# Altium PCB LimePSB-RPCM_1v4.PcbDoc (part 1 of 12) (continued)
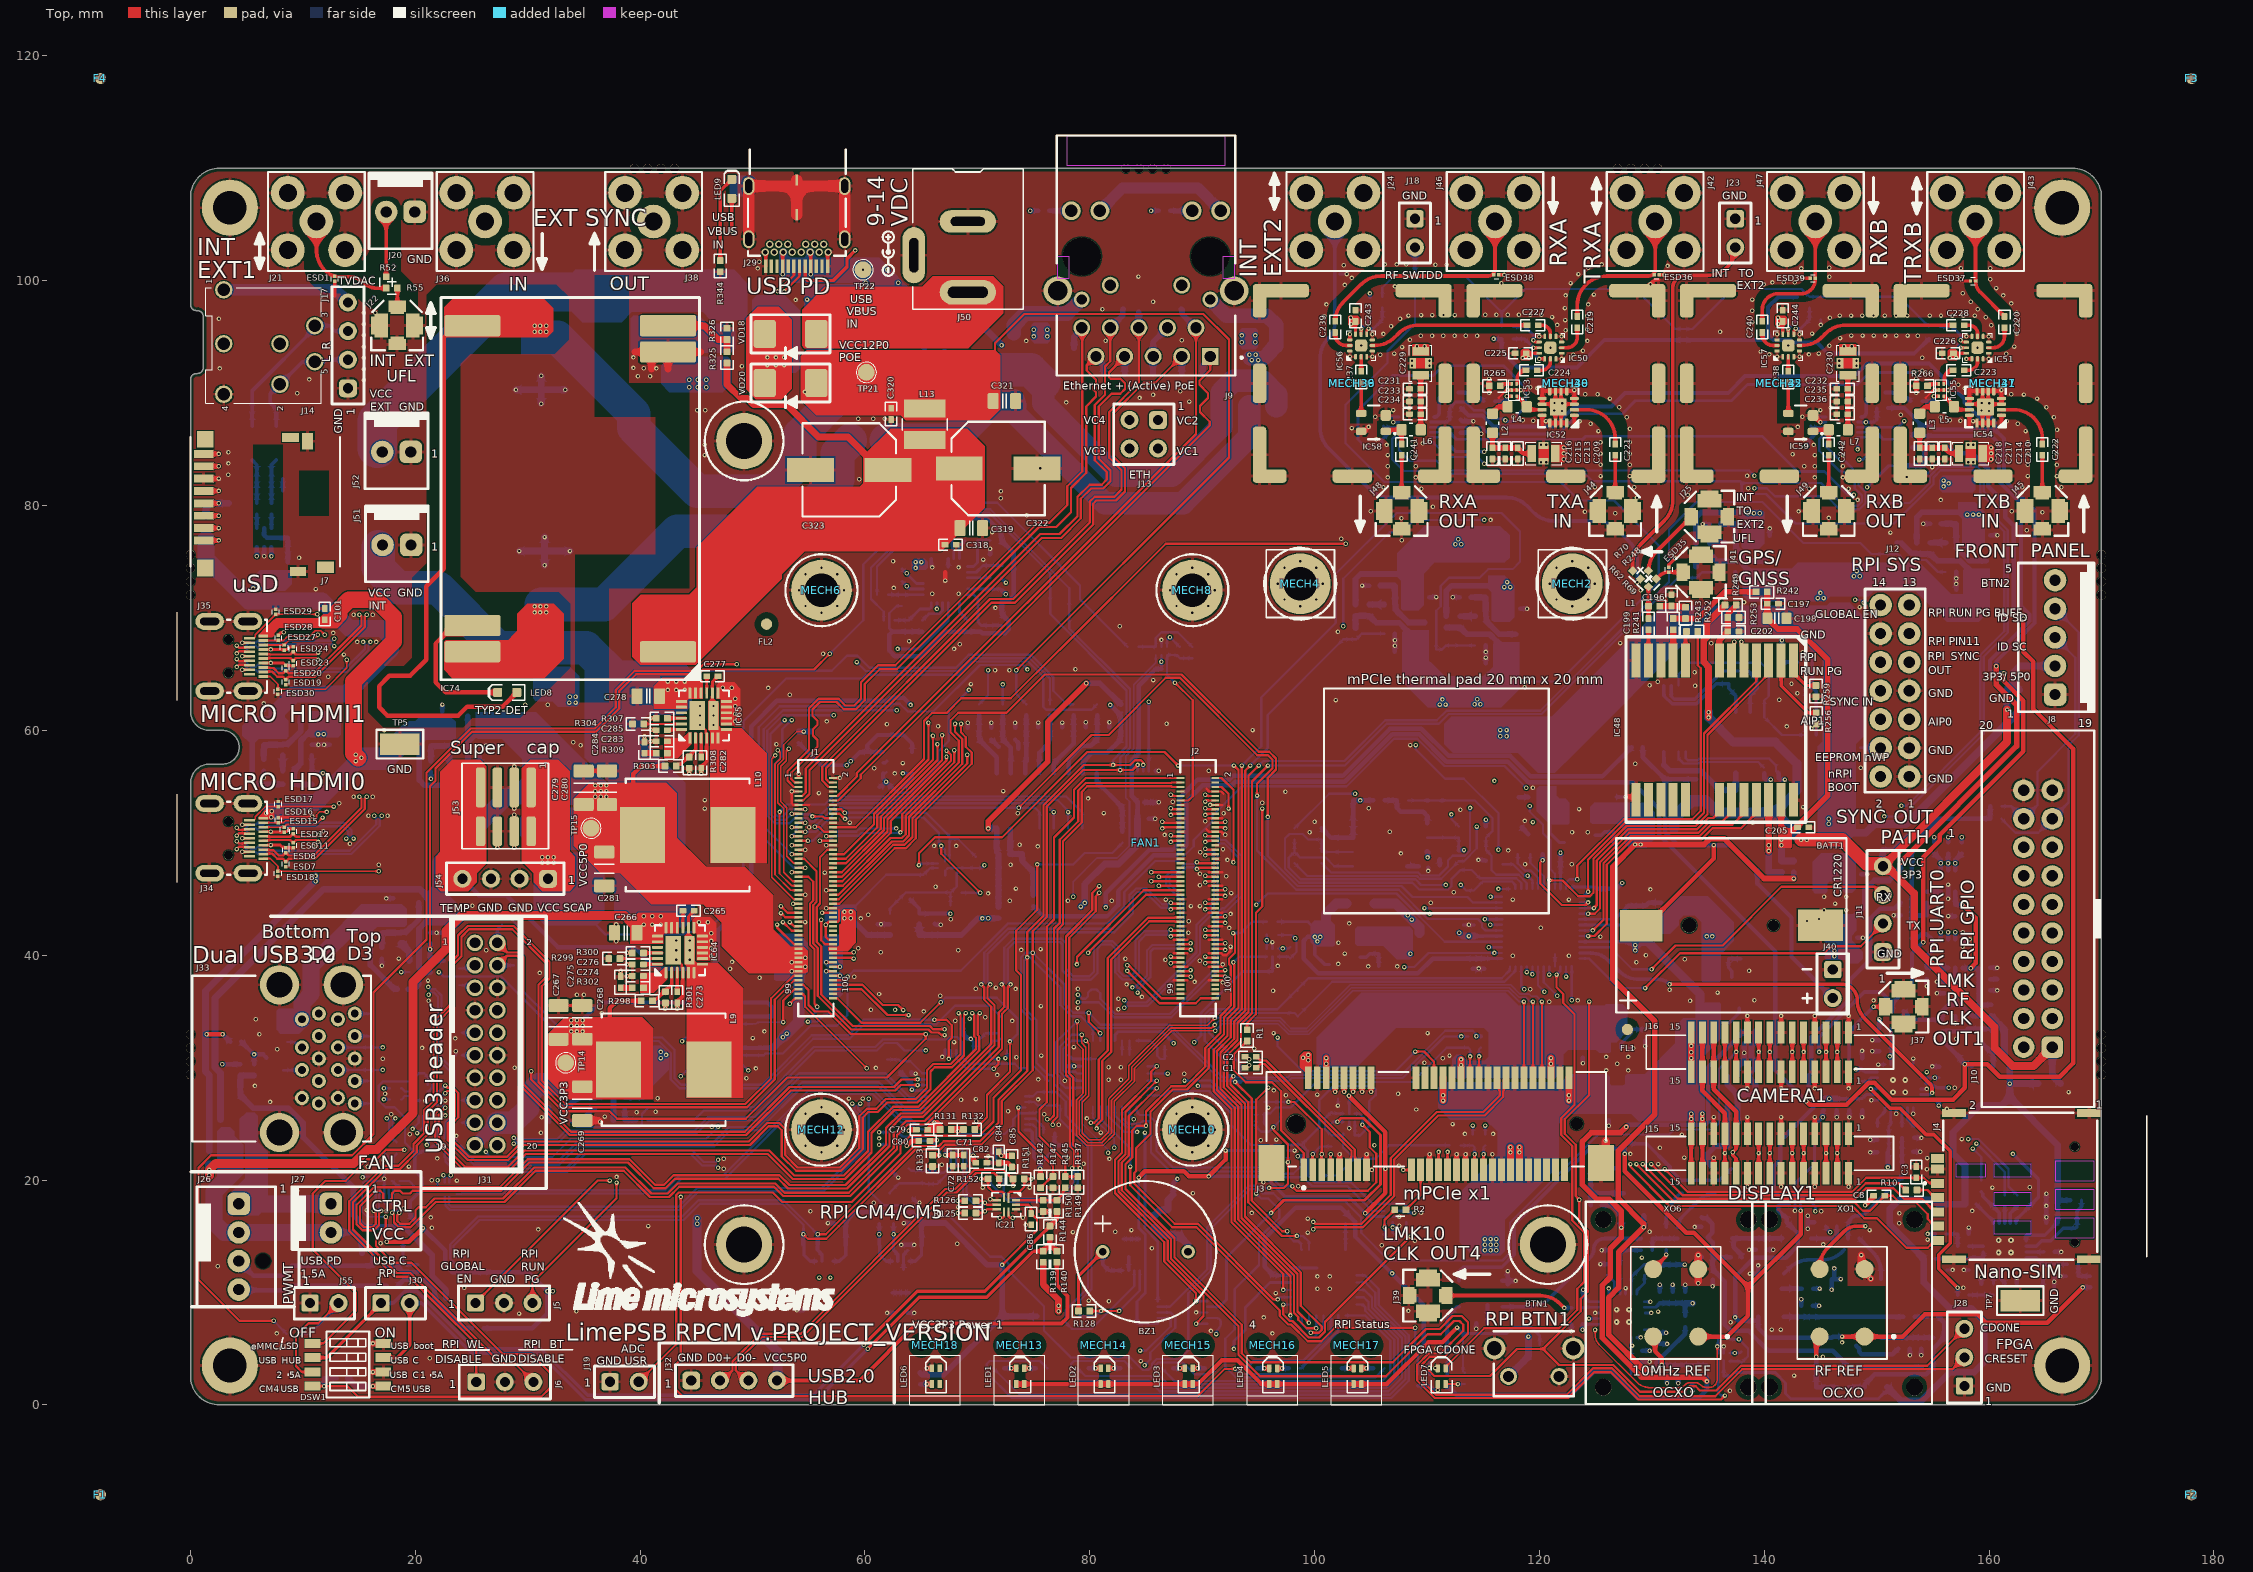
[diagram p0: Top view]
## Classes and differential pairs (continued)
net class CLK_PATH: ADF_REFIN NetC114_1 NetC114_2 NetC115_2 NetC167_1 NetC167_2 NetC168_2 NetR181_2 NetR184_1 NetR226_2 NetR234_1
net class uSD_CARD: RPI_SD_CLK RPI_SD_CMD RPI_SD_D0 RPI_SD_D1 RPI_SD_D2 RPI_SD_D3
net class VCC1P5: VCC1P5
net class VCC3P3_CLK: VCC3P3_CLK
net class VCC3P3: VCC3P3
net class VCC5P0: VCC5P0
differential pair USB3S_T_TX: +USB3S_T_TX_P -USB3S_T_TX_N
differential pair USB3S_T_RX: +USB3S_T_RX_P -USB3S_T_RX_N
differential pair USB3S_T_D: +USB3S_T_D_P -USB3S_T_D_N
differential pair USB3H_1_TX: +USB3H_1_TX_P -USB3H_1_TX_N
differential pair USB3H_1_RX: +USB3H_1_RX_P -USB3H_1_RX_N
differential pair USB3H_1_D: +USB3H_1_D_P -USB3H_1_D_N
differential pair USB_HUB_D6: +USB_HUB_D6_P -USB_HUB_D6_N
differential pair GNSS_USB_D: +GNSS_USB_D_P -GNSS_USB_D_N
differential pair RPI_USB3_TX1: +RPI_USB3_TX1_P -RPI_USB3_TX1_N
differential pair RPI_USB3_TX0: +RPI_USB3_TX0_P -RPI_USB3_TX0_N
differential pair RPI_USB3_RX1: +RPI_USB3_RX1_P -RPI_USB3_RX1_N
differential pair RPI_USB3_RX0: +RPI_USB3_RX0_P -RPI_USB3_RX0_N
differential pair RPI_USB3_D1: +RPI_USB3_D1_P -RPI_USB3_D1_N
differential pair RPI_USB3_D0: +RPI_USB3_D0_P -RPI_USB3_D0_N
differential pair PCIE_CLK: +PCIE_CLK_P -PCIE_CLK_N
differential pair USB_HUB_D5: +USB_HUB_D5_P -USB_HUB_D5_N
differential pair USB_HUB_D4: +USB_HUB_D4_P -USB_HUB_D4_N
differential pair USB_HUB_D3: +USB_HUB_D3_P -USB_HUB_D3_N
differential pair USB_HUB_D2: +USB_HUB_D2_P -USB_HUB_D2_N
differential pair USB_HUB_D1: +USB_HUB_D1_P -USB_HUB_D1_N
differential pair USB_HUB_D0: +USB_HUB_D0_P -USB_HUB_D0_N
differential pair PCIE_USB: +PCIE_USB_P -PCIE_USB_N
differential pair PCIE_PET0: +PCIE_PET0_P -PCIE_PET0_N
differential pair HDMI1_D2: +HDMI1_D2_P -HDMI1_D2_N
differential pair HDMI1_D1: +HDMI1_D1_P -HDMI1_D1_N
differential pair HDMI1_D0: +HDMI1_D0_P -HDMI1_D0_N
differential pair HDMI1_CLK: +HDMI1_CLK_P -HDMI1_CLK_N
differential pair HDMI0_D2: +HDMI0_D2_P -HDMI0_D2_N
differential pair HDMI0_D1: +HDMI0_D1_P -HDMI0_D1_N
differential pair HDMI0_D0: +HDMI0_D0_P -HDMI0_D0_N
differential pair HDMI0_CLK: +HDMI0_CLK_P -HDMI0_CLK_N
differential pair DSI1_D1: +DSI1_D1_P -DSI1_D1_N
differential pair DSI1_D0: +DSI1_D0_P -DSI1_D0_N
differential pair DSI1_CLK: +DSI1_CLK_P -DSI1_CLK_N
differential pair CAM1_D1: +CAM1_D1_P -CAM1_D1_N
differential pair CAM1_D0: +CAM1_D0_P -CAM1_D0_N
differential pair CAM1_CLK: +CAM1_CLK_P -CAM1_CLK_N
differential pair RPI_USB_D: +RPI_USB_D_P -RPI_USB_D_N
differential pair RPI_PCIE_TX: +RPI_PCIE_TX_P -RPI_PCIE_TX_N
differential pair RPI_PCIE_RX: +RPI_PCIE_RX_P -RPI_PCIE_RX_N
differential pair RPI_PCIE_CLK: +RPI_PCIE_CLK_P -RPI_PCIE_CLK_N
differential pair ETH_TRD3: +ETH_TRD3_P -ETH_TRD3_N
differential pair ETH_TRD2: +ETH_TRD2_P -ETH_TRD2_N
differential pair ETH_TRD1: +ETH_TRD1_P -ETH_TRD1_N
differential pair ETH_TRD0: +ETH_TRD0_P -ETH_TRD0_N
differential pair EXT_USB_D: +EXT_USB_D_P -EXT_USB_D_N

## Components (designator, comment, footprint, x,y, rotation, side; value= is the part's Value field where it differs from the comment)
BATT1 "CR1220 Battery Holder" CR1220_SMD_holder 137.325,42.65 r180 top locked
BR1 "KMB210S" KMB210S_RECTIFIER_BRIDGE 95.375,91.85 r0 bottom
BR2 "KMB210S" KMB210S_RECTIFIER_BRIDGE 74.425,92.35 r0 bottom
BTN1 "Switch tactile right edge" SW_TACTILE_RIGHT_EDGE 119.5,3.775 r0 top locked
BZ1 "WST-1203UX" BUZZER_WST-1203UX 84.95,13.625 r90 top locked
C1 "100nF, 16V" CAP0402#1 94.3,29.975 r180 top
C2 "100nF, 16V" CAP0402#1 94.3,30.975 r180 top
C3 "1uF, 10V" CAP0402#1 153.525,20.7 r270 top
C4 "47uF, 10V" CAP1206#1 51.125,38.65 r0 bottom
C5 "47uF, 10V" CAP1206#1 51.15,41.005 r0 bottom
C6 "47uF, 10V" CAP1206#1 58.725,37.4 r180 bottom
C7 "47uF, 10V" CAP1206#1 58.725,39.898 r180 bottom
C8 "22pF, 50V" CAP0402#1 150.225,18.6 r0 top
C9 "100nF, 16V" CAP0402#2 86.375,65 r270 bottom
C10 "100nF, 16V" CAP0402#2 55.7,59.9 r0 bottom
C11 "100nF, 16V" CAP0402#2 51.8,34.05 r270 bottom
C12 "10uF, 16V" CAP0603#1 3.375,81.05 r270 bottom
C13 "100nF, 16V" CAP0402#2 1.8,80.7 r90 bottom
C14 "100nF, 16V" CAP0402#2 162.65,64.9 r0 bottom
C15 "100nF, 16V" CAP0402#2 51.8,31.26 r270 bottom
C16 "1uF, 10V" CAP0402#2 12.385,59.225 r270 bottom
C17 "100nF, 16V" CAP0402#2 6.51,61.273 r90 bottom
C18 "100nF, 16V" CAP0402#2 10.3,61.373 r0 bottom
C19 "100nF, 16V" CAP0402#2 150.55,49.875 r90 bottom
C20 "100nF, 16V" CAP0402#2 85.625,91.225 r270 bottom
C21 "100nF, 16V" CAP0402#2 119.525,4.305 r0 bottom
C22 "47uF, 10V" CAP1206#1 7.625,85.55 r270 bottom
C23 "100nF, 16V" CAP0402#2 7.7,82.375 r0 bottom
C24 "100nF, 16V" CAP0402#2 5.4,82.375 r0 bottom
C25 "47uF, 10V" CAP1206#1 5.475,85.55 r270 bottom
C26 "1uF, 10V" CAP0402#2 9.152,76.124 r180 bottom
C27 "100nF, 16V" CAP0402#2 9.15,77.125 r0 bottom
C28 "100nF, 16V" CAP0402#2 84.75,52.149 r0 bottom
C29 "4.7uF, 6.3V" CAP0402#2 72.376,45.46 r180 bottom
C30 "1uF, 10V" CAP0402#2 75.476,46.435 r180 bottom
C31 "100nF, 16V" CAP0402#2 75.476,47.435 r0 bottom
C32 "100nF, 16V" CAP0402#2 82.251,59.185 r180 bottom
C33 "100nF, 16V" CAP0402#2 82.4,53.15 r180 bottom
C34 "1uF, 10V" CAP0402#2 72.376,46.46 r180 bottom
C35 "100nF, 16V" CAP0402#2 72.376,47.46 r180 bottom
C36 "100nF, 16V" CAP0402#2 64.525,16.175 r180 bottom
C37 "100nF, 16V" CAP0402#2 69.651,59.185 r180 bottom
C38 "100nF, 16V" CAP0402#2 71.751,59.185 r180 bottom
C39 "100nF, 16V" CAP0402#2 73.851,59.185 r180 bottom
C40 "100nF, 16V" CAP0402#2 75.951,59.185 r180 bottom
C41 "100nF, 16V" CAP0402#2 78.051,59.185 r180 bottom
C42 "100nF, 16V" CAP0402#2 80.151,59.185 r180 bottom
C43 "100nF, 16V" CAP0402#2 57.775,16.175 r180 bottom
C44 "100nF, 16V" CAP0402#2 102.25,15.075 r180 bottom
C45 "100nF, 16V" CAP0402#2 26.05,11.3 r270 bottom
C46 "100nF, 16V" CAP0402#2 96.325,12.025 r90 bottom
C47 "100nF, 16V" CAP0402#2 4.875,21.325 r0 bottom
C48 "100nF, 16V" CAP0402#2 137.97,54.688 r0 bottom
C49 "100nF, 16V" CAP0402#2 15.75,14.525 r0 bottom
C50 "100nF, 16V" CAP0402#2 87.175,30.775 r0 bottom
C51 "100nF, 16V" CAP0402#2 143.625,61.2 r90 bottom
C52 "100nF, 16V" CAP0402#2 143.785,67.55 r180 bottom
C53 "100nF, 16V" CAP0402#2 78.1,30.625 r90 bottom
C54 "100nF, 16V" CAP0402#2 93.425,41.475 r270 bottom
C55 "4.7uF, 6.3V" CAP0402#2 126.2,46.4 r270 bottom
C56 "100nF, 16V" CAP0402#2 125.2,46.4 r90 bottom
C57 "4.7uF, 6.3V" CAP0402#2 129.15,40.7 r90 bottom
C58 "100nF, 16V" CAP0402#2 127.9,40.7 r270 bottom
C59 "4.7uF, 6.3V" CAP0402#2 122.375,48.6 r180 bottom
C60 "100nF, 16V" CAP0402#2 122.375,47.6 r0 bottom
C61 "4.7uF, 6.3V" CAP0402#2 114.1,39.2 r90 bottom
C62 "100nF, 16V" CAP0402#2 115.125,39.2 r270 bottom
C63 "100nF, 16V" CAP0402#2 102.925,53.775 r180 bottom
C64 "4.7uF, 6.3V" CAP0402#2 128.9,44.9 r270 bottom
C65 "100nF, 16V" CAP0402#2 127.9,44.9 r90 bottom
C66 "4.7uF, 6.3V" CAP0402#2 113.225,42.2 r270 bottom
C67 "100nF, 16V" CAP0402#2 114.225,42.2 r90 bottom
C68 "4.7uF, 6.3V" CAP0402#2 128.9,42.8 r90 bottom
C69 "100nF, 16V" CAP0402#2 127.9,42.8 r270 bottom
C70 "1uF, 10V" CAP0402#2 75.75,26.05 r180 bottom
C71 "1uF, 10V" CAP0402#1 68.8,21.725 r90 top
C72 "100nF, 16V" CAP0402#1 67.8,21.725 r270 top
C73 "100nF, 16V" CAP0402#2 64.125,29.075 r90 bottom
C74 "22pF, 50V" CAP0402#2 65.375,21.325 r270 bottom
C75 "22pF, 50V" CAP0402#2 65.375,19.15 r90 bottom
C76 "1uF, 10V" CAP0402#2 71.749,33.547 r270 bottom
C77 "100nF, 16V" CAP0402#2 70.75,33.55 r90 bottom
C78 "1uF, 10V" CAP0402#2 69.175,34.25 r180 bottom
C79 "100nF, 16V" CAP0402#1 65.075,24.475 r180 top
C80 "100nF, 16V" CAP0402#1 65.275,23.475 r180 top
C81 "100nF, 16V" CAP0402#2 75.075,21.475 r180 bottom
C82 "100nF, 16V" CAP0402#1 70.35,21.55 r0 top
C83 "100nF, 16V" CAP0402#2 69.2,33.175 r0 bottom
C84 "100nF, 16V" CAP0402#1 71.9,22.025 r270 top
C85 "1uF, 10V" CAP0402#1 73.075,21.65 r90 top
C86 "100nF, 16V" CAP0402#1 74.775,16.525 r270 top
C87 "100nF, 16V" CAP0402#2 81.65,11.525 r270 bottom
C88 "47uF, 10V" CAP1206#1 30.025,29.075 r270 bottom
C89 "1uF, 10V" CAP0402#2 40.21,27.837 r270 bottom
C90 "100nF, 16V" CAP0402#2 33.65,31.025 r90 bottom
C91 "47uF, 10V" CAP1206#1 30.7,24.95 r180 bottom
C92 "100nF, 16V" CAP0402#2 38.125,29.985 r0 bottom
C93 "47uF, 10V" CAP1206#1 6.8,34.25 r0 bottom
C94 "1uF, 10V" CAP0402#2 23.9,44.225 r0 bottom
C95 "100nF, 16V" CAP0402#2 18.048,44.548 r90 bottom
C96 "47uF, 10V" CAP1206#1 14.208,43.658 r0 bottom
C97 "100nF, 16V" CAP0402#2 20.813,44.648 r0 bottom
C98 "1uF, 10V" CAP0402#2 27.26,59.125 r270 bottom
C99 "100nF, 16V" CAP0402#2 22.41,61.173 r90 bottom
C100 "100nF, 16V" CAP0402#2 7.775,53.675 r90 bottom
C101 "100nF, 16V" CAP0402#1 11.95,70.35 r90 top
C102 "100nF, 16V" CAP0402#2 25.175,61.273 r0 bottom
C103 "100nF, 16V" CAP0402#2 20.05,16.825 r0 bottom
C104 "100nF, 16V" CAP0402#2 20.575,22.075 r270 bottom
C105 "100nF, 16V" CAP0402#2 18.25,28.175 r180 bottom
C106 "100nF, 16V" CAP0402#2 18.325,22.85 r90 bottom
C107 "100nF, 16V" CAP0402#2 18.25,27.175 r180 bottom
C108 "100nF, 16V" CAP0402#2 17.323,22.85 r90 bottom
C109 "100nF, 16V" CAP0402#2 21.25,29.5 r0 bottom
C110 "100nF, 16V" CAP0402#2 20.575,18.65 r270 bottom
C111 "100nF, 16V" CAP0402#2 144.125,2.85 r0 bottom
C112 "10uF, 16V" CAP0603#1 143.775,1.575 r0 bottom
C113 "100pF, 50V" CAP0402#2 144.125,3.85 r180 bottom
C114 "100nF, 16V" CAP0402#2 152.25,24.25 r270 bottom
C115 "100nF, 16V" CAP0402#2 152.25,20.8 r270 bottom
C116 "100nF, 16V" CAP0402#2 153.35,24.25 r90 bottom
C117 "100nF, 16V" CAP0402#2 84.2,6.725 r90 bottom
C118 "100nF, 16V" CAP0402#2 152.965,5.49 r90 bottom
C119 "1uF, 10V" CAP0402#2 153.965,5.49 r90 bottom
C120 "1uF, 10V" CAP0402#2 150.75,32.45 r0 bottom
C121 "100nF, 16V" CAP0402#2 150.575,22.45 r0 bottom
C122 "100pF, 50V" CAP0402#2 150.575,23.575 r0 bottom
C123 "100pF, 50V" CAP0402#2 150.75,31.45 r0 bottom
C124 "1uF, 10V" CAP0402#2 144.3,8.325 r270 bottom
C125 "100nF, 16V" CAP0402#2 143.3,8.325 r270 bottom
C126 "18nF, 16V" CAP0402#2 143.85,10.35 r180 bottom
C127 "1uF, 10V" CAP0402#2 146.45,26.725 r90 bottom
C128 "100nF, 16V" CAP0402#2 147.575,26.725 r90 bottom
C129 "100pF, 50V" CAP0402#2 155.575,29.6 r270 bottom
C130 "100pF, 50V" CAP0402#2 148.7,26.725 r90 bottom
C131 "100pF, 50V" CAP0402#2 156.1,27.1 r180 bottom
C132 "100pF, 50V" CAP0402#2 148.7,30.35 r270 bottom
C133 "100nF, 16V" CAP0402#2 136.4,2.075 r90 bottom
C134 "100nF, 16V" CAP0402#2 134.9,13.125 r0 bottom
C135 "100nF, 16V" CAP0402#2 140.225,14.3 r90 bottom
C136 "1uF, 10V" CAP0402#2 135.4,11.575 r90 bottom
C137 "1uF, 10V" CAP0402#2 139.225,14.3 r90 bottom
C138 "100nF, 16V" CAP0402#2 165.6,18.2 r0 bottom
C139 "100nF, 16V" CAP0402#2 156.25,12.5 r90 bottom
C140 "100pF, 50V" CAP0402#2 158.25,12.5 r270 bottom
C141 "100pF, 50V" CAP0402#2 157.25,12.5 r270 bottom
C142 "100pF, 50V" CAP0402#2 160.4,10.275 r270 bottom
C143 "100pF, 50V" CAP0402#2 157.7,9.775 r180 bottom
C144 "1uF, 10V" CAP0402#2 159.598,36.864 r180 bottom
C145 "100nF, 16V" CAP0402#2 159.598,37.864 r0 bottom
C146 "100pF, 50V" CAP0402#2 159.598,38.864 r0 bottom
C147 "100nF, 16V" CAP0402#2 152.64,43.549 r0 bottom
C148 "100pF, 50V" CAP0402#2 165.6,16.2 r180 bottom
C149 "100pF, 50V" CAP0402#2 165.6,17.2 r180 bottom
C150 "100pF, 50V" CAP0402#2 168.325,15.8 r180 bottom
C151 "100nF, 16V" CAP0402#2 142.736,20.175 r270 bottom
C152 "1nF, 50V" CAP0402#2 154.474,38.374 r270 bottom
C153 "100nF, 16V" CAP0402#2 168.325,16.8 r0 bottom
C154 "1nF, 50V" CAP0402#2 157.7,14.1 r180 bottom
C155 "1nF, 50V" CAP0402#2 155.7,15.2 r180 bottom
C156 "1uF, 10V" CAP0402#2 156.499,36.624 r0 bottom
C157 "100nF, 16V" CAP0402#2 156.499,37.63 r180 bottom
C158 "22pF, 50V" CAP0402#2 167.449,11.45 r0 bottom
C159 "22pF, 50V" CAP0402#2 164.799,12 r90 bottom
C160 "22pF, 50V" CAP0402#2 165.799,12 r90 bottom
C161 "220pF, 50V" CAP0402#2 161.95,10.825 r0 bottom
C162 "22pF, 50V" CAP0402#2 160.35,18.15 r90 bottom
C163 "100nF, 16V" CAP0402#2 157.001,43.988 r270 bottom
C164 "100nF, 16V" CAP0402#2 132.35,3.05 r90 bottom
C165 "10uF, 16V" CAP0603#1 133.6,2.697 r90 bottom
C166 "100pF, 50V" CAP0402#2 131.35,3.05 r270 bottom
C167 "100nF, 16V" CAP0402#2 127.164,12.024 r90 bottom
C168 "100nF, 16V" CAP0402#2 129.55,13.75 r0 bottom
C169 "100nF, 16V" CAP0402#2 126.064,12.024 r270 bottom
C170 "100nF, 16V" CAP0402#2 93.487,25.95 r90 bottom
C171 "100nF, 16V" CAP0402#2 95.587,22.125 r90 bottom
C172 "100nF, 16V" CAP0402#2 124.05,18.825 r0 bottom
C173 "1uF, 10V" CAP0402#2 124.05,19.825 r0 bottom
C174 "1uF, 10V" CAP0402#2 128.664,3.824 r180 bottom
C175 "100nF, 16V" CAP0402#2 131.875,11.975 r90 bottom
C176 "100pF, 50V" CAP0402#2 128.664,4.824 r180 bottom
C177 "100pF, 50V" CAP0402#2 130.75,11.975 r90 bottom
C178 "1uF, 10V" CAP0402#2 111.3,5.85 r0 bottom
C179 "100nF, 16V" CAP0402#2 111.3,6.85 r0 bottom
C180 "18nF, 16V" CAP0402#2 114.875,7.275 r0 bottom
C181 "100nF, 16V" CAP0402#2 96.75,38.55 r180 bottom
C182 "100nF, 16V" CAP0402#2 102.575,27.225 r0 bottom
C183 "1uF, 10V" CAP0402#2 132.964,9.549 r270 bottom
C184 "100nF, 16V" CAP0402#2 131.839,9.549 r270 bottom
C185 "100pF, 50V" CAP0402#2 123.389,9.674 r0 bottom
C186 "100pF, 50V" CAP0402#2 123.339,7.174 r0 bottom
C187 "100pF, 50V" CAP0402#2 130.714,9.549 r270 bottom
C188 "100pF, 50V" CAP0402#2 130.714,5.924 r90 bottom
C189 "100nF, 16V" CAP0402#2 138.7,30.575 r0 bottom
C190 "100nF, 16V" CAP0402#2 137.175,23.025 r180 bottom
C191 "1uF, 10V" CAP0402#2 138.7,32.175 r0 bottom
C192 "1uF, 10V" CAP0402#2 137.175,24.025 r180 bottom
C193 "100nF, 16V" CAP0402#2 104.912,16.25 r90 bottom
C194 "100nF, 16V" CAP0402#2 60.838,42.3 r90 bottom
C195 "100nF, 16V" CAP0402#2 66.212,42.3 r90 bottom
C196 "22pF, 50V" CAP0402#1 131.75,71.575 r270 top
C197 "1uF, 10V" CAP0402#1 140.775,71.275 r180 top
C198 "10uF, 6.3V" CAP0603#2 141.125,69.975 r180 top
C199 "100pF, 50V" CAP0402#1 129.7,69.45 r270 top
C200 "100nF, 16V" CAP0402#2 62.85,60.1 r90 bottom
C201 "100nF, 16V" CAP0402#2 60.213,57.575 r270 bottom
C202 "100nF, 16V" CAP0402#1 137.25,68.8 r0 top
C203 "100nF, 16V" CAP0402#2 65.2,46.65 r270 bottom
C204 "100nF, 16V" CAP0402#2 139.9,48.425 r180 bottom
C205 "100nF, 16V" CAP0402#1 143.45,51.375 r180 top
C206 "100pF, 50V" CAP0402#2 142.025,49.425 r0 bottom
C207 "100pF, 50V" CAP0402#2 118.693,96.425 r270 bottom
C208 "100pF, 50V" CAP0402#2 156.693,96.425 r270 bottom
C209 "470nF, 16V" CAP0805_FEEDTHROUGH 120.375,84.637 r180 top
C210 "470nF, 16V" CAP0805_FEEDTHROUGH 158.375,84.637 r180 top
C211 "100pF, 50V" CAP0402#2 118.693,94.325 r90 bottom
C212 "100pF, 50V" CAP0402#2 156.693,94.325 r90 bottom
C213 "1uF, 10V" CAP0402#1 118.075,84.637 r90 top
C214 "1uF, 10V" CAP0402#1 156.075,84.637 r90 top
C215 "100nF, 16V" CAP0402#1 116.95,84.637 r270 top
C216 "100pF, 50V" CAP0402#1 115.825,84.637 r90 top
C217 "100nF, 16V" CAP0402#1 154.95,84.637 r270 top
C218 "100pF, 50V" CAP0402#1 153.825,84.637 r90 top
C219 "100pF, 50V" CAP0402#1 123.375,96.325 r270 top
C220 "100pF, 50V" CAP0402#1 161.375,96.325 r270 top
C221 "100pF, 50V" CAP0402#1 126.74,84.975 r270 top
C222 "100pF, 50V" CAP0402#1 164.74,84.975 r270 top
C223 "100pF, 50V" CAP0402#1 157.3,92.05 r180 top
C224 "100pF, 50V" CAP0402#1 119.3,92.05 r180 top
C225 "10nF, 50V" CAP0402#1 118.333,93.55 r180 top
C226 "10nF, 50V" CAP0402#1 156.333,93.55 r180 top
C227 "100pF, 50V" CAP0402#1 119.404,96.05 r0 top
C228 "100pF, 50V" CAP0402#1 157.3,96.05 r0 top
C229 "470nF, 16V" CAP0805_FEEDTHROUGH 109.44,92.663 r270 top
C230 "470nF, 16V" CAP0805_FEEDTHROUGH 147.44,92.663 r270 top
C231 "1uF, 10V" CAP0402#1 108.94,90.388 r0 top
C232 "1uF, 10V" CAP0402#1 146.94,90.388 r0 top
C233 "100nF, 16V" CAP0402#1 108.94,89.263 r180 top
C234 "100pF, 50V" CAP0402#1 108.94,88.138 r0 top
C235 "100nF, 16V" CAP0402#1 146.94,89.263 r180 top
C236 "100pF, 50V" CAP0402#1 146.94,88.138 r0 top
C237 "100pF, 50V" CAP0402#1 104.14,91.45 r270 top
C238 "100pF, 50V" CAP0402#1 142.14,91.45 r270 top
C239 "100pF, 50V" CAP0402#1 101.825,95.9 r270 top
C240 "100pF, 50V" CAP0402#1 139.825,95.9 r270 top
C241 "100pF, 50V" CAP0402#1 107.74,84.975 r270 top
C242 "100pF, 50V" CAP0402#1 145.74,84.975 r270 top
C243 "10nF, 50V" CAP0402#1 103.64,96.885 r270 top
C244 "10nF, 50V" CAP0402#1 141.64,96.885 r270 top
C245 "100pF, 50V" CAP0402#2 106.525,96.525 r180 bottom
C246 "100pF, 50V" CAP0402#2 144.525,96.525 r180 bottom
C247 "100pF, 50V" CAP0402#2 104.425,96.525 r0 bottom
C248 "100pF, 50V" CAP0402#2 142.425,96.525 r0 bottom
C249 "1uF, 10V" CAP0402#2 115.727,65.975 r180 bottom
C250 "1uF, 10V" CAP0402#2 107.65,67.015 r180 bottom
C251 "1uF, 10V" CAP0402#2 157.523,72.515 r180 bottom
C252 "1uF, 10V" CAP0402#2 137.937,72.488 r180 bottom
C253 "100nF, 16V" CAP0402#2 117.775,70.825 r0 bottom
C254 "100nF, 16V" CAP0402#2 109.698,71.865 r0 bottom
C255 "100nF, 16V" CAP0402#2 159.623,77.365 r0 bottom
C256 "100nF, 16V" CAP0402#2 139.985,77.338 r0 bottom
C257 "100nF, 16V" CAP0402#2 117.875,68.06 r270 bottom
C258 "100nF, 16V" CAP0402#2 109.798,69.1 r270 bottom
C259 "100nF, 16V" CAP0402#2 159.723,74.6 r270 bottom
C260 "100nF, 16V" CAP0402#2 140.085,74.572 r270 bottom
C261 "1uF, 10V" CAP0402#2 111.95,64.875 r270 bottom
C262 "1uF, 10V" CAP0402#2 147.325,75.1 r270 bottom
C263 "100nF, 16V" CAP0402#2 113.075,64.875 r90 bottom
C264 "100nF, 16V" CAP0402#2 146.325,75.1 r90 bottom
C265 "100nF, 16V" CAP0402#1 44.3,43.95 r0 top
C266 "10uF, 25V" CAP0805#1 38.712,41.99 r0 top
C267 "47uF, 6.3V" CAP1206#2 32.731,34.019 r270 top
C268 "47uF, 6.3V" CAP1206#2 34.85,34.025 r270 top
C269 "100uF, 6.3V" CAP1206#2 34.85,26.8 r90 top
C270 "10uF, 25V" CAP0805#2 48.2,91.175 r180 bottom
C271 "22nF, 50V" CAP0402#2 43.375,90.1 r270 bottom
C272 "22nF, 50V" CAP0402#2 37.025,96.15 r270 bottom
C273 "1uF, 10V" CAP0402#1 43.3,36.25 r270 top
C274 "4.7pF, 50V" CAP0402#1 39.8,38.15 r180 top
C275 "1200pF, 50V" CAP0402#1 38.261,37.6 r90 top
C276 "22nF, 50V" CAP0402#1 39.8,39.175 r180 top
C277 "100nF, 16V" CAP0402#1 46.425,64.825 r0 top
C278 "10uF, 25V" CAP0805#1 40.725,63.05 r0 top
C279 "47uF, 6.3V" CAP1206#2 34.975,54.9 r270 top
C280 "47uF, 6.3V" CAP1206#2 37.05,54.9 r270 top
C281 "100uF, 6.3V" CAP1206#2 36.8,47.675 r90 top
C282 "1uF, 10V" CAP0402#1 45.425,57.125 r270 top
C283 "2.2pF, 50V" CAP0402#1 41.925,59.025 r180 top
C284 "1200pF, 50V" CAP0402#1 40.386,58.475 r90 top
C285 "100nF, 16V" CAP0402#1 41.925,60.025 r0 top
C286 "100nF, 16V" CAP0402#2 157.483,31.295 r270 bottom
C287 "4.7uF, 6.3V" CAP0402#2 148.15,47.225 r180 bottom
C288 "4.7uF, 6.3V" CAP0402#2 147.775,41.55 r180 bottom
C289 "4.7uF, 6.3V" CAP0402#2 163.006,28.081 r90 bottom
C290 "4.7uF, 6.3V" CAP0402#2 133.925,35.275 r0 bottom
C291 "4.7uF, 6.3V" CAP0402#2 134.225,39.675 r0 bottom
C292 "4.7uF, 6.3V" CAP0402#2 101.8,42.525 r180 bottom
C293 "4.7uF, 6.3V" CAP0402#2 105.7,42.725 r270 bottom
C294 "4.7uF, 6.3V" CAP0402#2 126.175,25.825 r90 bottom
C295 "4.7uF, 6.3V" CAP0402#2 123.875,31.4 r90 bottom
C296 "4.7uF, 6.3V" CAP0402#2 122.2,53.875 r270 bottom
C297 "4.7uF, 6.3V" CAP0402#2 126.6,53.575 r270 bottom
C298 "4.7uF, 6.3V" CAP0402#2 128.025,53.575 r270 bottom
C299 "1nF, 50V" CAP0402#2 112.265,90.061 r180 bottom
C300 "1nF, 50V" CAP0402#2 105.64,87.086 r0 bottom
C301 "1000pF, 2kV" CAP1812 31.2,92.3 r90 bottom
C302 "1.5pF, 50V" CAP0402#2 117.093,88.783 r270 bottom
C303 "100nF, 100V" CAP0603#1 46.55,79.425 r90 bottom
C304 "1uF, 10V" CAP0402#2 112.515,86.486 r0 bottom
C305 "1nF, 100V" CAP0603#1 66.275,87.825 r270 bottom
C306 "1uF, 10V" CAP0402#2 105.64,85.961 r0 bottom
C307 "1uF, 10V" CAP0402#2 112.515,85.336 r180 bottom
C308 "1uF, 10V" CAP0402#2 112.515,87.636 r180 bottom
C309 "1000pF, 2kV" CAP1812 31.5,73.95 r270 bottom
C310 "10nF, 50V" CAP0402#2 105.64,88.361 r180 bottom
C311 "1nF, 50V" CAP0402#2 150.265,90.061 r180 bottom
C312 "1nF, 50V" CAP0402#2 143.64,87.086 r0 bottom
C313 "1.5pF, 50V" CAP0402#2 155.093,88.783 r270 bottom
C314 "1uF, 10V" CAP0402#2 150.51,86.455 r0 bottom
C315 "1uF, 10V" CAP0402#2 143.64,85.961 r0 bottom
C316 "1uF, 10V" CAP0402#2 150.515,85.336 r180 bottom
C317 "1uF, 10V" CAP0402#2 150.515,87.636 r180 bottom
C318 "22nF, 50V" CAP0402#1 67.625,76.525 r0 top
C319 "10uF, 25V" CAP0805#1 69.45,78 r180 top
C320 "22nF, 50V" CAP0402#1 62.325,88.15 r270 top
C321 "10uF, 25V" CAP0805#1 72.4,89.3 r180 top
C322 "220uF, 16V" CAP_POL_SIZE_F_v2 71.85,83.3 r0 top
C323 "220uF, 16V" CAP_POL_SIZE_F_v2 58.6,83.175 r180 top
C324 "10nF, 50V" CAP0402#2 143.64,88.361 r180 bottom
C325 "1uF, 10V" CAP0402#2 153.2,83.05 r90 bottom
C326 "1uF, 25V" CAP0603#1 63.775,95.925 r90 bottom
C327 "100nF, 16V" CAP0402#2 152.175,83.05 r270 bottom
C328 "1uF, 25V" CAP0603#1 60.1,102.4 r270 bottom
C329 "1uF, 25V" CAP0603#1 54.7,99.1 r0 bottom
C330 "1uF, 10V" CAP0402#2 68.891,77.395 r270 bottom
C331 "1uF, 10V" CAP0402#2 67.266,77.845 r0 bottom
C332 "100nF, 16V" CAP0402#2 67.266,78.845 r180 bottom
C333 "100nF, 16V" CAP0402#2 67.266,76.845 r180 bottom
C334 "390pF, 50V" CAP0402#2 62.791,73.245 r180 bottom
C335 "390pF, 50V" CAP0402#2 62.791,74.37 r180 bottom
D1 "BAT54C" BAT54C_SOT23-3 134.908,54.688 r0 bottom
D2 "BAS316" BAS316_DIODE_SOD323 104.1,44.6 r180 bottom
D3 "NZH10C-115" NZH10C,115_shottky_diode_SOD123 67.15,95.375 r90 bottom
DSW1 "4 bit switch" SW_4WAY_SMD_1P27 14,3.565 r270 top locked
ESD1 "ESD8472" ESD8472_X3DFN2 12.825,100.175 r270 top
ESD2 "ESD8472" ESD8472_X3DFN2 102.025,100.6 r0 bottom
ESD3 "ESD8472" ESD8472_X3DFN2 24.075,24.875 r270 bottom
ESD4 "ESD8472" ESD8472_X3DFN2 24.075,27.325 r90 bottom
ESD5 "ESD8472" ESD8472_X3DFN2 23.85,31.1 r180 bottom
ESD6 "ESD8472" ESD8472_X3DFN2 23.85,33.1 r180 bottom
ESD7 "ESD8472" ESD8472_X3DFN2 8.477,48.1 r270 top
ESD8 "ESD8472" ESD8472_X3DFN2 8.475,49.35 r90 top
ESD9 "ESD8472" ESD8472_X3DFN2 5.973,48.797 r270 bottom
ESD10 "ESD8472" ESD8472_X3DFN2 5.973,49.872 r90 bottom
ESD11 "ESD8472" ESD8472_X3DFN2 9.125,49.773 r270 top
ESD12 "ESD8472" ESD8472_X3DFN2 9.123,51.023 r90 top
ESD13 "ESD8472" ESD8472_X3DFN2 5.975,50.925 r270 bottom
ESD14 "ESD8472" ESD8472_X3DFN2 5.975,52 r90 bottom
ESD15 "ESD8472" ESD8472_X3DFN2 8.325,51.173 r270 top
ESD16 "ESD8472" ESD8472_X3DFN2 7.798,52.023 r90 top
ESD17 "ESD8472" ESD8472_X3DFN2 7.8,53.45 r90 top
ESD18 "ESD8472" ESD8472_X3DFN2 7.775,47.25 r270 top
ESD19 "ESD8472" ESD8472_X3DFN2 8.477,64.3 r270 top
ESD20 "ESD8472" ESD8472_X3DFN2 8.475,65.55 r90 top
ESD21 "ESD8472" ESD8472_X3DFN2 5.973,64.997 r270 bottom
ESD22 "ESD8472" ESD8472_X3DFN2 5.973,66.072 r90 bottom
ESD23 "ESD8472" ESD8472_X3DFN2 9.125,65.973 r270 top
ESD24 "ESD8472" ESD8472_X3DFN2 9.123,67.223 r90 top
ESD25 "ESD8472" ESD8472_X3DFN2 5.975,67.125 r270 bottom
ESD26 "ESD8472" ESD8472_X3DFN2 5.975,68.2 r90 bottom
ESD27 "ESD8472" ESD8472_X3DFN2 8.325,67.373 r270 top
ESD28 "ESD8472" ESD8472_X3DFN2 7.8,68.225 r90 top
ESD29 "ESD8472" ESD8472_X3DFN2 7.575,70.55 r90 top
ESD30 "ESD8472" ESD8472_X3DFN2 7.775,63.45 r270 top
ESD31 "ESD8472" ESD8472_X3DFN2 16.1,26.8 r0 bottom
ESD32 "ESD8472" ESD8472_X3DFN2 16.1,28.8 r0 bottom
ESD33 "ESD8472" ESD8472_X3DFN2 16.1,32.8 r0 bottom
ESD34 "ESD8472" ESD8472_X3DFN2 16.1,34.8 r0 bottom
ESD35 "ESD8472" ESD8472_X3DFN2 131.5,74.3 r90 top
ESD36 "ESD8472" ESD8472_X3DFN2 130.425,100.525 r0 top
ESD37 "ESD8472" ESD8472_X3DFN2 158.575,99.975 r180 top
ESD38 "ESD8472" ESD8472_X3DFN2 116.175,100.525 r0 top
ESD39 "ESD8472" ESD8472_X3DFN2 144.325,100.225 r180 top
F1 "Fiducial" Fiducial -8.015,-8 r0 top
F2 "Fiducial" Fiducial 178.015,-8 r0 top
F3 "Fiducial" Fiducial 178.015,118 r0 top
F4 "Fiducial" Fiducial -8.015,118 r0 top
F5 "Fiducial" Fiducial -8.015,-8 r0 bottom
F6 "Fiducial" Fiducial 178.015,-8 r0 bottom
F7 "Fiducial" Fiducial 178.015,118 r0 bottom
F8 "Fiducial" Fiducial -8.015,118 r0 bottom
F9 "0R" RES0805 50.1,97.55 r0 bottom
F10 "0R" RES0805 37.875,52.475 r180 bottom
FAN1 "12V DC FAN" FAN_80mm_V1 85,50 r0 top locked
FL1 "Fiducial" Fiducial_local 127.825,33.4 r0 top
FL2 "Fiducial" Fiducial_local 51.25,69.45 r0 top
FL3 "Fiducial" Fiducial_local 140.075,25.8 r180 bottom
FL4 "Fiducial" Fiducial_local 49,69.525 r180 bottom
FR1 "600R, 2A" RES0805 1.375,78.05 r270 bottom
FR2 "600R, 0.5A" RES0402#1 8.65,74.452 r270 bottom
FR3 "600R, 0.5A" RES0402#1 71.876,43.785 r90 bottom
FR4 "600R, 2A" RES0805 149.95,1.575 r180 bottom
FR5 "600R, 0.5A" RES0402#1 150.75,33.5 r0 bottom
FR6 "600R, 0.5A" RES0402#1 145.275,26.725 r90 bottom
FR7 "600R, 0.5A" RES0402#1 154.7,13 r0 bottom
FR8 "600R, 0.5A" RES0402#1 160.199,35.074 r270 bottom
FR9 "600R, 2A" RES0805 128.275,16.8 r180 bottom
FR10 "600R, 0.5A" RES0402#1 128.664,2.774 r180 bottom
FR11 "600R, 0.5A" RES0402#1 132.975,7.425 r90 bottom
FR12 "600R, 0.5A" RES0402#1 142.625,47.875 r90 bottom
FR13 "600R, 2A" RES0805 112.925,61.8 r90 bottom
FR14 "600R, 2A" RES0805 146.875,71.95 r90 bottom
FR15 "600R, 2A" RES0805 47.35,93.525 r270 bottom
FR16 "600R, 2A" RES0805 146.225,49.05 r270 bottom
FR17 "600R, 2A" RES0805 165.35,28.581 r180 bottom
FR18 "600R, 2A" RES0805 120.75,55.625 r270 bottom
FR19 "600R, 2A" RES0805 130.875,51.725 r180 bottom
FR20 "600R, 2A" RES0805 60.15,89.825 r180 bottom
FR21 "600R, 0.5A" RES0402#1 112.515,88.686 r0 bottom
FR22 "600R, 2A" RES0805 60.15,85.825 r180 bottom
FR23 "600R, 0.5A" RES0402#1 150.515,88.686 r0 bottom
IC1 "74LVC1G3157FZ4" 74LVC1G3157FZ4_SPDT_SW_DFN1410-6 86.375,67.075 r270 bottom
IC2 "74LVC1G34QSE-7" 74AHCT1G126SE-7_BUFFER_SOT353 49.025,33.89 r180 bottom
IC3 "74LVC1G34QSE-7" 74AHCT1G126SE-7_BUFFER_SOT353 49.025,31.1 r180 bottom
IC4 "MIC2039" SOT23-6 9.5,58.725 r180 bottom
IC5 "NC7WZ16P6X" SC-70_NC7WZ16P6X 6.55,77.125 r90 bottom
IC6 "MCP3208" MCP3208-CI/SL_SOIC16 76.158,53.727 r270 bottom locked
IC7 "LM75" HWSON8_LM75 85,55 r270 bottom
IC8 "CAT24C128WI-GT3" SOIC127P600-8DL_v2 63.175,11.375 r90 bottom
IC9 "M24128" M24128-DFMC6TG 63.175,11.375 r90 bottom
IC10 "ATECC508A" SOIC127P600-8DL_v2 56.425,11.375 r90 bottom
IC11 "ATECC508A" ATECC508A_UDFN8 56.425,11.325 r90 bottom
IC12 "MCP23017-E/ML" MCP23017-E/ML_QFN28 100.8,10.875 r0 bottom
IC13 "EMC2301-1-ACZL-TR" EMC2301-1-ACZL-TR_MOTOR_DRIVER_TSSOP8 22.25,12.125 r180 bottom
IC14 "PCF85063AT" PCF85063AT_RTC_SOIC-8 139.375,58.9 r270 bottom
IC15 "MCP23017-E/ML" MCP23017-E/ML_QFN28 82.225,29.475 r0 bottom
IC16 "PCF85063AT" PCF85063AT_RTC_TSSOP8 132.05,61.05 r270 bottom
IC17 "74LVC1G34QSE-7" 74AHCT1G126SE-7_BUFFER_SOT353 143.625,65.115 r90 bottom
IC18 "ICE5LP4K-SG48ITR" ICE5LP4K-SG48ITR_Lattice_FPGA_QFN48 120.125,42.45 r0 bottom locked
IC19 "MX25U1632FM2I02" S25FL164K_WSON8_DFN6 106.725,49.825 r180 bottom
IC20 "USB2517" USB2517-JZX-TR_USB_HUB_QFN64 69.875,27.2 r0 bottom locked
IC21 "NX3DV42GU" FSUSB42UMX#1 72.575,17.8 r270 top
IC22 "M24C02" SOIC127P600-8DL_v2 77.2,10.725 r270 bottom
IC23 "AT24C02" M24128-DFMC6TG 83.7,13.35 r270 bottom
IC24 "MIC2039" SOT23-6 37.325,27.337 r180 bottom
IC25 "MIC2039" SOT23-6 20.013,42 r180 bottom
IC26 "NX3DV42GU" FSUSB42UMX#2 22.825,19.15 r270 bottom
IC27 "NX3DV42GU" FSUSB42UMX#2 22.825,23.075 r270 bottom
IC28 "MIC2039" SOT23-6 24.375,58.625 r180 bottom
IC29 "FUSB340TMX" FUSB340TMX_USB_SWITCH_18-XFQFN 20.9,27.075 r180 bottom locked
IC30 "FUSB340TMX" FUSB340TMX_USB_SWITCH_18-XFQFN 17.223,20.125 r90 bottom
IC31 "LMK00105" LMK00105SQ 152,28.35 r0 bottom
IC32 "TMUX1204DGSR" TMUX1204DGSR_ANALOG_SWITCH_10-TSSOP 88.25,8.225 r180 bottom
IC33 "74LVC1G3157FZ4" 74LVC1G3157FZ4_SPDT_SW_DFN1410-6 136.4,4.25 r270 bottom
IC34 "LP5907-3.0" SOT23-5 135.725,15.75 r0 bottom
IC35 "74LVC1G3157FZ4" 74LVC1G3157FZ4_SPDT_SW_DFN1410-6 142.736,18.185 r90 bottom
IC36 "AD5662" AD5662_SOT23-8 156.674,40.149 r90 bottom
IC37 "ADF4002" ADF4002 161.4,14.1 r90 bottom
IC38 "AD5601BKSZ-REEL7" AD5601_SOT23-6 156.349,46.599 r270 bottom
IC39 "LMK00105" LMK00105SQ 127.414,7.924 r180 bottom
IC40 "74LVC1G3157FZ4" 74LVC1G3157FZ4_SPDT_SW_DFN1410-6 95.162,26.45 r180 bottom
IC41 "74LVC1G3157FZ4" 74LVC1G3157FZ4_SPDT_SW_DFN1410-6 97.262,22.625 r180 bottom
IC42 "74LVC1G3157FZ4" 74LVC1G3157FZ4_SPDT_SW_DFN1410-6 96.25,40.225 r270 bottom
IC43 "74LVC1G3157FZ4" 74LVC1G3157FZ4_SPDT_SW_DFN1410-6 103.075,25.55 r90 bottom
IC44 "LP5907-3.0" SOT23-5 137.65,27.925 r270 bottom
IC45 "74LVC1G3157FZ4" 74LVC1G3157FZ4_SPDT_SW_DFN1410-6 106.587,16.75 r180 bottom
IC46 "SN74AVC1T45DBV" SOT23-6 63.525,42.75 r0 bottom
IC47 "NX3DV42GU" FSUSB42UMX#3 67.323,47.75 r270 bottom
IC48 "NEO-M8Q" NEO-7M/8M 135.6,60.025 r90 top locked
IC49 "SN74AVC1T45DBV" SOT23-6 62.9,57.125 r180 bottom
IC50 "F2972NEGK" F2972NEGK_SPDT_RF_switch_12-TQFN 120.975,94.05 r180 top
IC51 "F2972NEGK" F2972NEGK_SPDT_RF_switch_12-TQFN 158.975,94.05 r180 top
IC52 "TQP3M9018" TQP3M9018_PA_QFN16 121.675,88.775 r180 top
IC53 "HHM22152A2" HHM22152A2_DIRECTIONAL_COUPLER 117.75,90.275 r90 top
IC54 "TQP3M9018" TQP3M9018_PA_QFN16 159.675,88.775 r180 top
IC55 "HHM22152A2" HHM22152A2_DIRECTIONAL_COUPLER 155.75,90.275 r90 top
IC56 "F2972NEGK" F2972NEGK_SPDT_RF_switch_12-TQFN 104.14,94.243 r90 top
IC57 "F2972NEGK" F2972NEGK_SPDT_RF_switch_12-TQFN 142.14,94.243 r90 top
IC58 "SPF5043Z" SPF5043Z_SOT-343 105.24,87.4 r90 top
IC59 "SPF5043Z" SPF5043Z_SOT-343 143.24,87.4 r90 top
IC60 "MIC2039" SOT23-6 115.227,68.86 r90 bottom
IC61 "MIC2039" SOT23-6 107.15,69.9 r90 bottom
IC62 "MIC2039" SOT23-6 157.075,75.4 r90 bottom
IC63 "MIC2039" SOT23-6 137.437,75.372 r90 bottom
IC64 "ADP2386" ADP2386 43.55,40.45 r90 top
IC65 "ADP2386" ADP2386 45.675,61.325 r90 top
IC66 "AP7361-FGE" AP7361 146.3,44.6 r90 bottom
IC67 "AP7361-FGE" AP7361 136.8,36.65 r270 bottom
IC68 "AP7361-FGE" AP7361 102.675,40.15 r180 bottom
IC69 "AS431" SOT23-3_v2 159.425,28.975 r270 bottom
IC70 "AP7361-FGE" AP7361 126.925,30.35 r270 bottom
IC71 "AP7361-FGE" AP7361 123.575,51 r180 bottom
IC72 "LTC5587" LTC5587_DFN12 108.9,86.75 r0 bottom
IC73 "LTC5587" LTC5587_DFN12 146.9,86.75 r0 bottom
IC74 "AG5712-LPB" AG5712-LPB_PoE_PD_module 33.775,81.5 r90 top locked
IC75 "IRF9358TRPBF" IRF9358TRPBF_DUAL_NMOS_SOIC8 60.15,95.975 r90 bottom
IC76 "CYPD3177-24LQXQT" USB_POWER_DISTR_CYPD3177_QFN24 67.15,73.325 r180 bottom
J1 "DF40C-100DS-0.4V(51)" FP-DF40C-100DS-0.4V(51) 55.625,45.975 r270 top locked
J2 "DF40C-100DS-0.4V(51)" FP-DF40C-100DS-0.4V(51) 89.625,45.975 r270 top locked
J3 "1775862-2" MINIPCIE_CONNECTOR_XTRX_V2 110.825,25.4 r0 top locked
J4 "nano SIM (push-push)" NANO_SIM_SIM8066-6-1-14-01-A 162.775,19.45 r90 top locked
J5 "Header 3x1 pin" HDR_1x3 27.885,9.075 r90 top
J6 "Header 3x1 pin" HDR_1x3 27.959,2.038 r90 top
J7 "Micro SD card holder" MICRO_SD_CARD_114-00841-68_v2 6.593,80.1 r270 top locked
J8 "Header 5X1" Header1x5_TH_LOCKING 165.875,68.275 r270 top
J9 "ETHERNET WITH MAGNETICS" RJ45_ETHERNET_MAG_A70-112-331N126 85,99.75 r180 top locked
J10 "Header 10X2" HEADER10X2_TH_LOCK 164.35,43.25 r90 top locked
J11 "Header 4x1" HEADER4X1_TH 150.55,44.1 r90 top
J12 "Header 7X2" Header7x2_TH 151.625,63.525 r90 top
J13 "Header 2X2" HEADER2X2_TH 84.8,86.35 r180 top
J14 "A/V, 3.5mm" Audio_jack_3.5mm 0.05,94.4 r0 top locked
J15 "FPC 15-pin" FPC_CONNECTOR_15pin_1-1734248-5 140.5,22.375 r0 top
J16 "FPC 15-pin" FPC_CONNECTOR_15pin_1-1734248-5 140.5,31.375 r0 top
J17 "Header 4x1" HEADER4X1_TH 14,94.25 r90 top
J18 "Header 2X1" HDR_1x2 108.925,104.245 r0 top locked
J19 "Header 2X1" HDR_1x2 38.6,2.05 r90 top
J20 "Header 2X1" Header1x2_TH_LOCKING 18.675,106.125 r0 top
J21 "SMA panel mount" SMA_connector_side 11.2,105.275 r270 top locked
J22 "U.FL/MMCX" MMCX_UFL_conn_u 18.375,96.025 r0 top
J23 "Header 2X1" HDR_1x2 137.425,104.245 r0 top locked
J24 "SMA panel mount" SMA_connector_side 101.8,105.275 r270 top locked
J25 "U.FL/MMCX" MMCX_UFL_conn_u 135.125,79.025 r90 top
J26 "4 pin FAN header" Header1x4_TH_LOCKING_v2 4.287,14.066 r90 top
J27 "Header 2X1" Header1x2_TH_LOCKING 12.491,16.609 r90 top locked
J28 "Header 3x1 pin" HDR_1x3 157.8,4.225 r180 top
J29 "USB type C connector" DUAL_USB-C_632723100011 53.925,107.225 r180 top locked
J30 "Header 2X1" HDR_1x2 18.225,9.05 r90 top locked